# Altium PCB CRD25DA12N-FMC V1.2 (01-2024).PcbDoc (part 5 of 6)
Units mil, origin at the board's own origin, x right, y up, seen from the top; angles counter-clockwise.
Board outline 8000 x 8000 mil, 6 copper layers (Top Layer, Layer 2, Layer 3, Layer 4, Layer 5, Bottom Layer), stack 91 mil thick; 574 components, 325 nets, 1631 pads, 633 vias.
Unrouted connection lines stored in the file: 1.
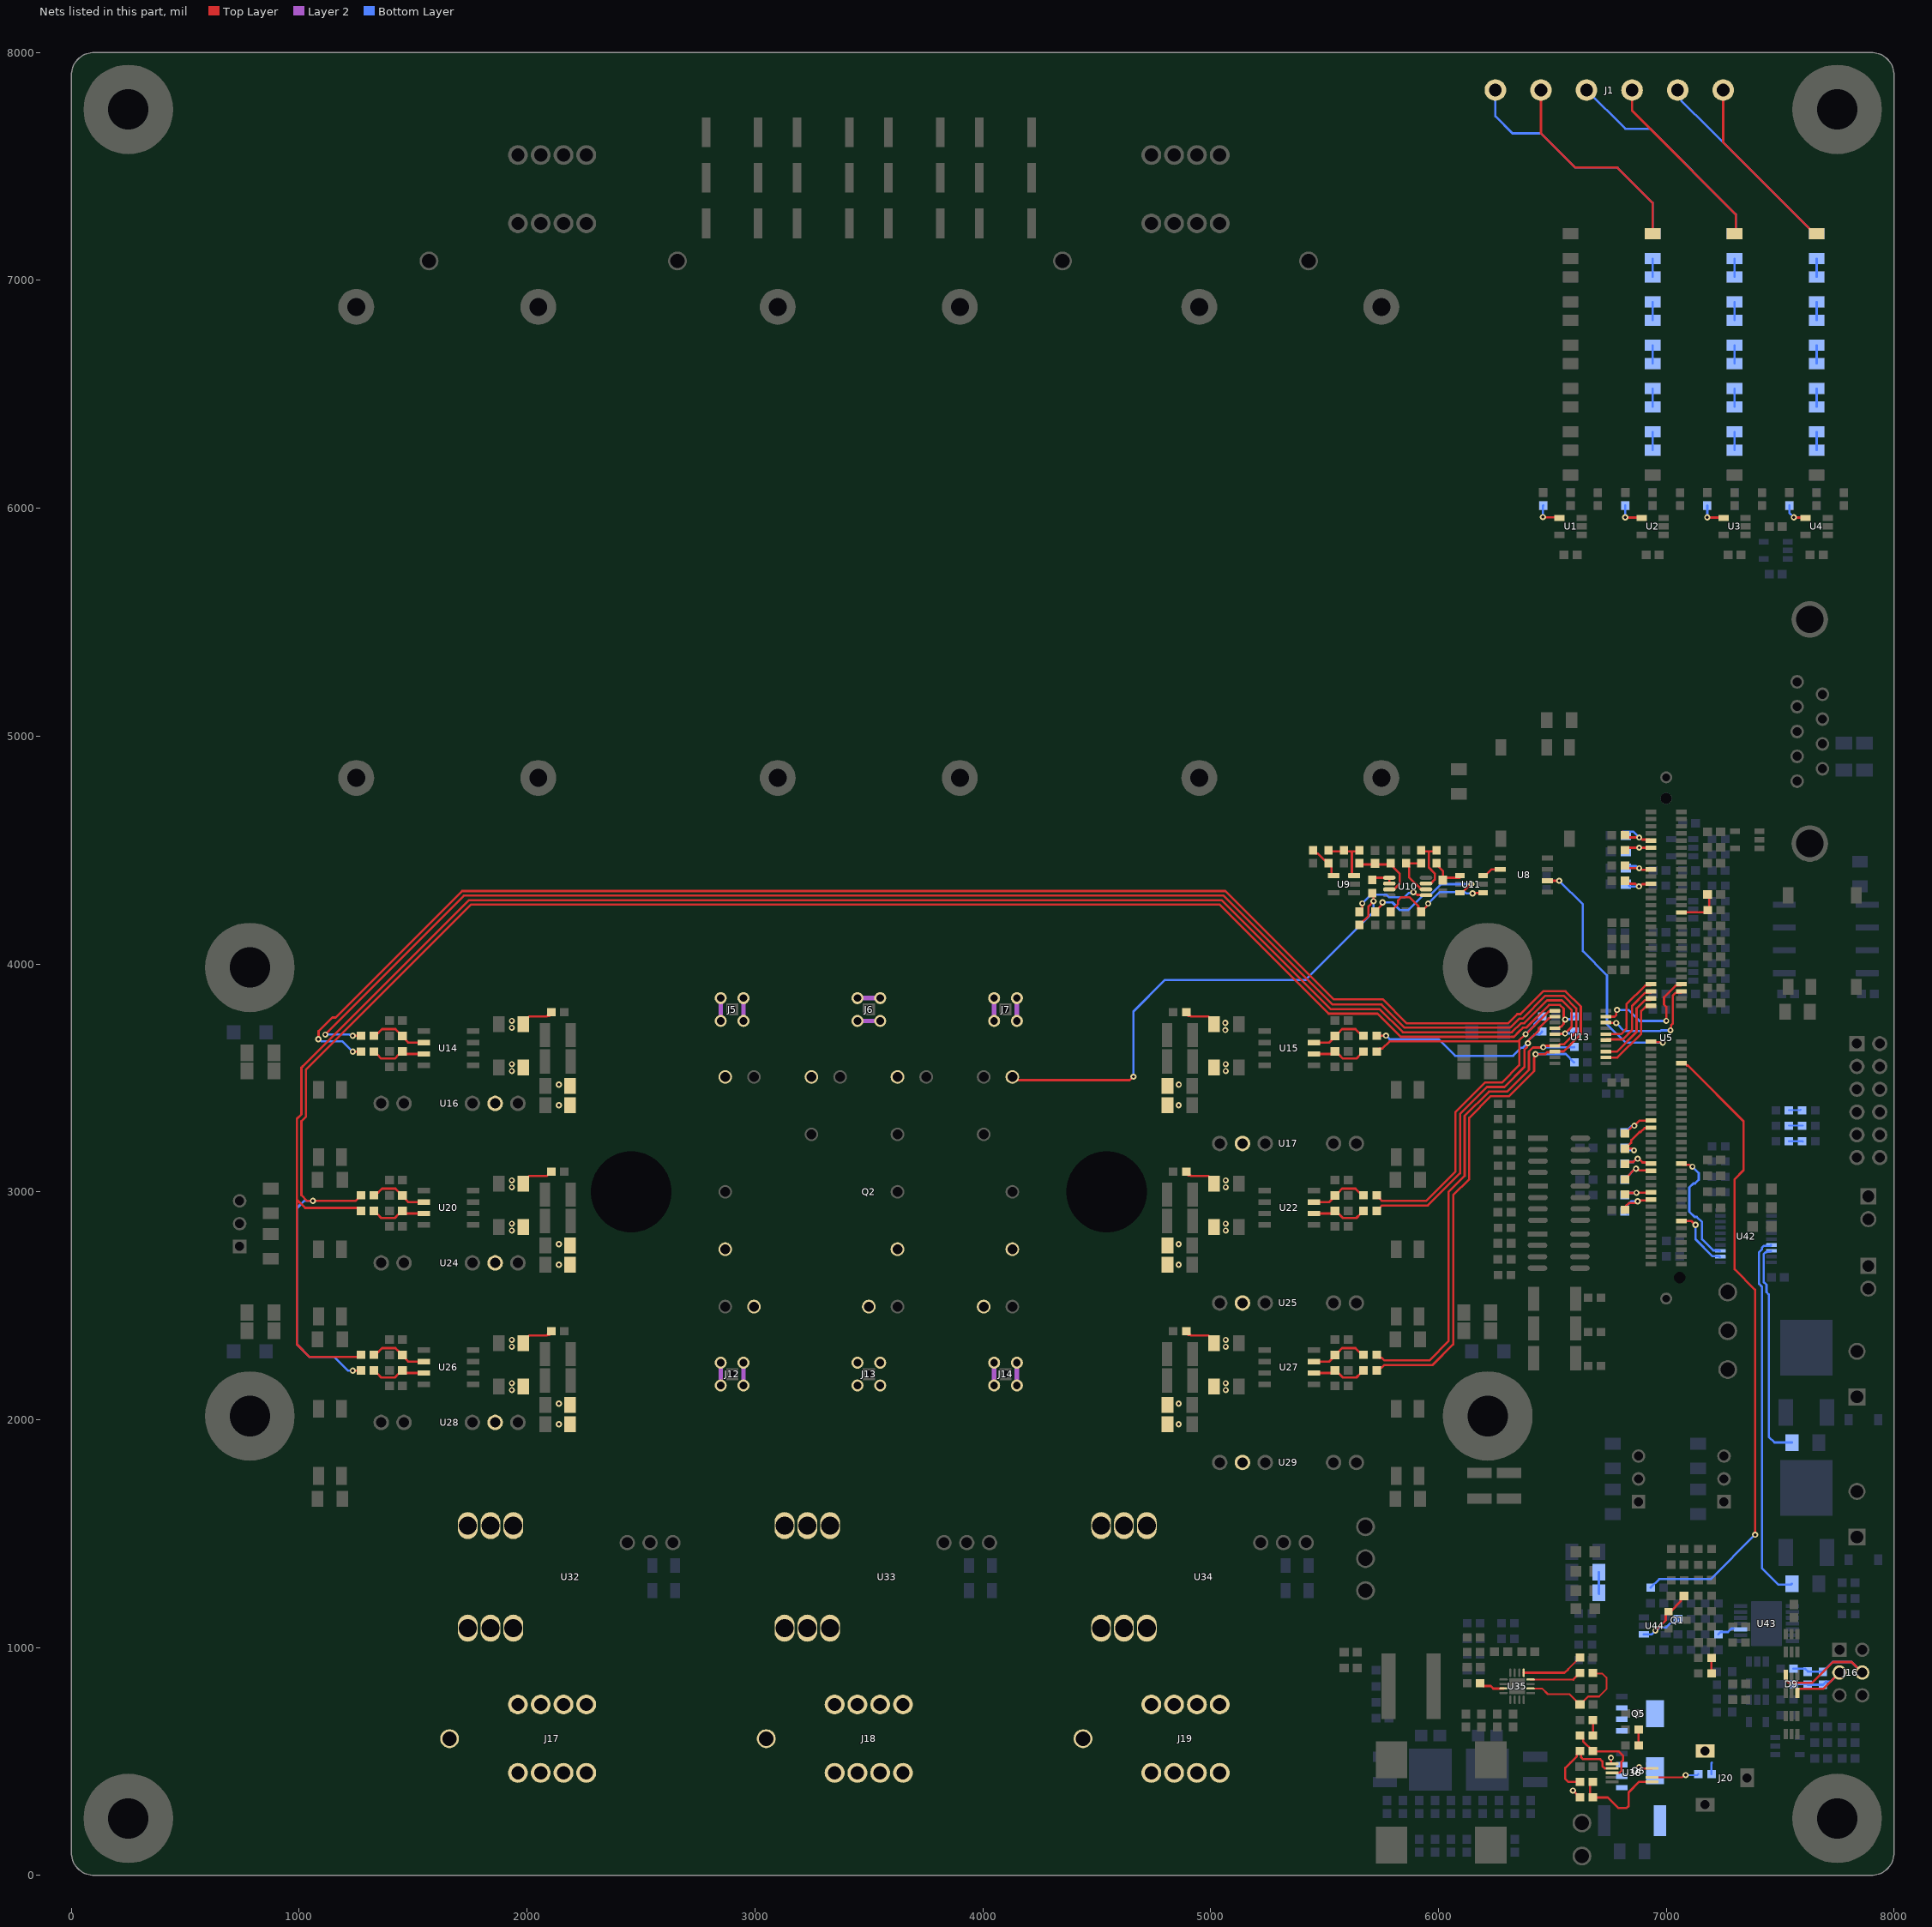
[diagram p9: the nets of this part, all layers, seen from the top]

## Via types
v1: diameter 27, hole 13, Top Layer to Bottom Layer, tented both sides, 537 vias
v2: diameter 50, hole 28, Top Layer to Bottom Layer, tented both sides, 76 vias
v3: diameter 19.68, hole 7.87, Top Layer to Bottom Layer, tented top, 15 vias
v4: diameter 19.68, hole 7.87, Top Layer to Bottom Layer, tented both sides, 5 vias

## Nets (pads, with @x,y where several pads share a name; then routed paths per layer and width w, separated by ;. In a path a pad name is that pad's centre, name@x,y a point inside that pad or via, vN(x,y) a via of type N, cw(c..) or ccw(c..) an arc to the next point about the centre after c; other vN are vias at no path point) (continued)
NetR137_2: R137.2 U35.5 | length 274.5
  Top Layer w8: 6569.74,905.26 6620.47,956 R137.2@6621.38,956
  Top Layer w10: U35.5@6374.53,889.23 6553.71,889.23 6569.74,905.26
NetR138_1: R138.1 R140.2 | length 68
  Top Layer w10: R140.2@7198.62,886 R138.1@7198.62,954
NetR139_1: R139.1 U35.4 | length 228.9
  Top Layer w8: U35.4@6404.23,859.53 6592,859.53
  Top Layer w10: 6592,859.53 6620.47,888 R139.1@6621.38,888
NetR141_2: R141.2 U35.11 | length 112.3
  Top Layer w10: R141.2@6183.62,844 6196.58,831.04 6229.48,831.04 6240.69,819.84 6264.04,819.84 6285.48,819.87 U35.11@6285.77,820.16
NetR142_2: R142.2 R144.1 | length 72.5
  Top Layer w10: R142.2@6675,685 6678.62,681.38 R144.1@6678.62,614
NetR143_2: R143.2 R145.1 | length 70
  Top Layer w10: R145.1@6878.62,570 R143.2@6878.62,640
NetR144_2: R144.2 R146.1 U36.3 | length 348.4
  Top Layer w8: U36.3@6761.17,449.69 6795,449.69
  Top Layer w10: R144.2@6621.38,614 6622.28,614 6635.24,601.04 6635.24,588.48 6677.72,546 R146.1@6678.62,546 6679.94,544.68 6769.2,544.68 6770.38,543.5 6791.81,543.5 6810,525.31 6810,505 6803.1,498.1 6803.1,458.1 6795,450 6795,449.69
NetR146_2: R146.2 R147.1 U36.2 | length 418.9
  Top Layer w8: 6730,469.69 U36.2@6762.91,469.69
  Top Layer w10: R147.1@6621.38,410 6570,410 6556.5,423.5 6556.5,471.5 6580,495 6607.52,522.52 6607.52,533.04 R146.2@6620.47,546 ; R146.2@6621.38,546 R146.2@6620.47,546 ; 6730,469.69 6720,479.69 6720,500 6710,510 6635,510 6626.1,518.9 6626.1,536.38 6626.1,540.38 R146.2@6620.47,546
NetR147_2: R147.2 R148.1 U36.6 | length 442.1
  Top Layer w10: R148.1@6678.62,342 6743,342 6790,295 6825.31,295 6835,304.69 6835,365 6880.63,410.63 U36.6@6937.09,410.63 ; R147.2@6678.62,410 6677.96,410 6665,397.04 6665,354.96 6677.96,342 R148.1@6679.53,342
NetR149_2: R149.2 R153.1 | length 79.8
  Bottom Layer w10: R153.1@7660,7015.12 R149.2@7660,7094.88
NetR150_2: R150.2 R154.1 | length 79.8
  Bottom Layer w10: R154.1@7300,7015.12 R150.2@7300,7094.88
NetR151_2: R151.2 R155.1 | length 79.8
  Bottom Layer w10: R155.1@6940,7015.12 R151.2@6940,7094.88
NetR153_2: R153.2 R157.1 | length 79.8
  Bottom Layer w10: R157.1@7660,6825.12 R153.2@7660,6904.88
NetR154_2: R154.2 R158.1 | length 79.8
  Bottom Layer w10: R158.1@7300,6825.12 R154.2@7300,6904.88
NetR155_2: R155.2 R159.1 | length 79.8
  Bottom Layer w10: R159.1@6940,6825.12 R155.2@6940,6904.88
NetR157_2: R157.2 R161.1 | length 79.8
  Bottom Layer w10: R161.1@7660,6635.12 R157.2@7660,6714.88
NetR158_2: R158.2 R162.1 | length 79.8
  Bottom Layer w10: R162.1@7300,6635.12 R158.2@7300,6714.88
NetR159_2: R159.2 R163.1 | length 79.8
  Bottom Layer w10: R163.1@6940,6635.12 R159.2@6940,6714.88
NetR161_2: R161.2 R165.1 | length 79.8
  Bottom Layer w10: R165.1@7660,6445.12 R161.2@7660,6524.88
NetR162_2: R162.2 R166.1 | length 79.8
  Bottom Layer w10: R166.1@7300,6445.12 R162.2@7300,6524.88
NetR163_2: R163.2 R167.1 | length 79.8
  Bottom Layer w10: R167.1@6940,6445.12 R163.2@6940,6524.88
NetR165_2: R165.2 R169.1 | length 79.8
  Bottom Layer w10: R169.1@7660,6255.12 R165.2@7660,6334.88
NetR166_2: R166.2 R170.1 | length 79.8
  Bottom Layer w10: R170.1@7300,6255.12 R166.2@7300,6334.88
NetR167_2: R167.2 R171.1 | length 79.8
  Bottom Layer w10: R171.1@6940,6255.12 R167.2@6940,6334.88
NetR174_2: R174.2 U4.4 | length 112.5
  Top Layer w10: v1(7560,5960) 7561.3,5958.7 7610.47,5958.7 U4.4@7611.77,5957.4
  Bottom Layer w10: R174.2@7540,6011.38 7540,5980 v1(7560,5960)
NetR176_2: R176.2 U3.4 | length 124.2
  Top Layer w10: v1(7180,5960) 7181.3,5958.7 7250.47,5958.7 U3.4@7251.77,5957.4
  Bottom Layer w10: v1(7180,5960) R176.2@7180,6011.38
NetR178_2: R178.2 U2.4 | length 124.2
  Top Layer w10: v1(6820,5960) 6821.3,5958.7 6890.47,5958.7 U2.4@6891.77,5957.4
  Bottom Layer w10: v1(6820,5960) R178.2@6820,6011.38
NetR180_2: R180.2 U1.4 | length 125.4
  Top Layer w10: v1(6458.58,5961.42) 6460.59,5959.41 6529.76,5959.41 U1.4@6531.77,5957.4
  Bottom Layer w10: v1(6458.58,5961.42) 6458.58,6009.96 R180.2@6460,6011.38
NetR204_2: R204.2 R205.1 | length 52.2
  Bottom Layer w8: R205.1@7538.62,3358 7588,3358 R204.2@7590,3360
NetR206_2: R206.2 R207.1 | length 61.4
  Bottom Layer w8: R207.1@7538.62,3290 R206.2@7596.38,3290 R206.2@7600,3290
NetR208_2: R208.2 R209.1 | length 62.2
  Bottom Layer w8: R209.1@7538.62,3222 R208.2@7596.38,3222 7598,3222 R208.2@7600,3220
NetR216_1: R216.1 R219.2 | length 95.4
  Bottom Layer w10: R216.1@6704.1,1330 R219.2@6704.1,1240 6704.1,1235.9 R219.2@6705,1235
NetR228_1: R228.1 U43.3 | length 76.6
  Bottom Layer w10: R228.1@7228.62,1058 7238.6,1067.98 7271.26,1067.98 7286.55,1083.27 7294.76,1083.27
NetR246_1: R246.1 U36.7 | length 210.4
  Top Layer w8: U36.7@6937.09,430.32 7070.17,430.32 7079.86,440 v1(7085,440)
  Bottom Layer w8: v1(7085,440) 7136.38,440 R246.1@7141.38,445
NTC1: Q2.NTC2 R56.1 R59.2 | length 2278.5
  Top Layer w10: Q2.NTC2@4129.92,3503.94 4143.45,3503.94 4157.39,3490 4645.4,3490 4660.4,3505 v1(4661.5,3505) ; R59.2@5654,4171.38 5654,4172.28 5693.04,4211.33 5693.04,4253.04 v1(5715,4275) 5715,4306.38 R56.1@5710,4311.38
  Bottom Layer w10: v1(4661.5,3505) 4661.5,3791.5 4800,3930 5416.72,3930 5715,4228.28 v1(5715,4275)
NTC1_BUF: R59.1 U10.5 | length 359
  Top Layer w10: R59.1@5654,4228.62 ccw(c5654,4240.37) 5665.75,4240.37 v1(5665.75,4265.68) ; v1(5890.31,4315.31) 5894.3,4315.31 5906.51,4303.09 5944.23,4303.09 U10.5@5945.71,4301.61
  Bottom Layer w10: v1(5665.75,4265.68) 5665.75,4266.05 5703.19,4303.5 5772.11,4303.5 5782.79,4292.81 5851.71,4292.81 5870.94,4312.05 5887.05,4312.05 v1(5890.31,4315.31)
NTC1_FB: R53.2 R54.2 U10.7 | length 246.9
  Top Layer w10: R53.2@5925,4493.62 5958.5,4493.62 ; U10.7@5945.71,4352.8 5966.5,4352.8 5972.23,4358.53 5972.64,4358.53 5984.27,4370.16 5984.27,4396.74 5958.5,4422.51 5958.5,4493.62 ; R54.2@5992,4493.62 5958.5,4493.62
NTC1_INV: R52.2 R53.1 U10.6 | length 229.9
  Top Layer w10: R53.1@5925,4441.38 R52.2@5858,4441.38 5870.96,4428.42 5870.96,4380.76 5918.78,4332.94 5919.19,4332.94 5924.92,4327.2 U10.6@5945.71,4327.2
NTC_B0: R47.2 R48.1 R49.2 U9.3 | length 251.4
  Top Layer w10: R47.2@5515,4493.62 5586,4493.62 5620,4493.62 ; U9.3@5630.08,4387.4 5626.61,4387.4 5620,4394.02 5620,4437.94 5620,4493.62 ; R49.2@5654,4493.62 5620,4493.62
NTC_B1: R46.2 R47.1 U9.4 | length 155.8
  Top Layer w10: R46.2@5450,4498.62 5450,4497.72 5462.96,4484.76 5470.52,4484.76 5500.04,4455.24 5505.04,4455.24 5518,4442.28 R47.1@5518,4441.38 5518,4437.28 5530.96,4424.33 5530.96,4396.37 U9.4@5539.92,4387.4
NTC_BIAS: C14.1 R49.1 R51.2 U10.3 | length 295.5
  Top Layer w10: R49.1@5654,4436.38 5721.96,4436.38 5722,4436.42 5794.05,4436.42 5802.96,4427.52 5802.96,4423.42 5830,4396.38 5830,4351.72 5811.22,4332.94 5810.81,4332.94 5805.08,4327.2 U10.3@5784.29,4327.2
NTC_BIAS_BUF: R56.2 U10.1 U10.2 | length 103.9
  Top Layer w10: R56.2@5710,4368.62 5719.76,4378.39 U10.1@5784.29,4378.39 U10.2@5784.29,4352.8
NTC_DIV: R61.2 R62.1 U11.4 | length 523.1
  Top Layer w10: R61.2@5790,4228.62 5790,4229.53 5823.08,4262.6 5823.08,4278.38 5837.51,4292.81 5851.71,4292.81 5852,4293.11 5872.2,4293.11 5912.04,4253.26 5912.04,4241.58 R62.1@5925,4228.62 ; R62.1@5925,4225 R62.1@5925,4228.62 ; v1(5955,4265) 5951.75,4261.75 5951.75,4256.27 5925,4229.53 R62.1@5925,4228.62 ; v1(6150.15,4309.85) 6151.53,4311.22 6193.62,4311.22 U11.4@6196.2,4313.8
  Bottom Layer w10: v1(5955,4265) 6005,4315 6116.65,4315 6121.65,4310 6150,4310 v1(6150.15,4309.85)
NTC_ISO: U5.57 U8.6 | length 1100.5
  Top Layer w10: U8.6@6478.35,4365 v1(6530,4365) ; U5.57@6933.07,3659.25 6935.2,3657.13 6982.87,3657.13 v1(6985,3655)
  Bottom Layer w10: v1(6530,4365) 6634.13,4260.87 6634.13,4055.87 6740,3950 6740,3735 6820,3655 v1(6985,3655)
NTC_MOD: C18.1 R54.1 U11.1 | length 142.2
  Top Layer w10: R54.1@5992,4436.38 5992,4435.47 6020,4407.47 6020,4380.52 6023.12,4377.4 6024.22,4378.5 U11.1@6093.01,4378.5
NTC_PWM: U8.2 U11.6 | length 90.3
  Top Layer w10: U11.6@6196.18,4387.4 6206.02,4387.4 6233.62,4415 U8.2@6271.65,4415 U8.2@6275,4415
NTC_SET: R60.2 U11.3 | length 565.9
  Top Layer w10: R60.2@5722,4228.62 5722,4229.53 v1@5751.75,4259.27 ; U11.3@6093.82,4312.6 6103.66,4312.6 6141.06,4350 v1(6145,4350) v1@6150,4350
  Bottom Layer w10: v1(5755,4270) 5798.05,4270 5831.94,4236.11 5867.58,4236.11 5931.12,4299.64 5961.36,4299.64 6011.72,4350 v1(6145,4350)
RELAY1: R217.1 U42.17 | length 1624.2
  Bottom Layer w10: U42.17@7459.41,2765.59 7456.69,2762.87 7428.03,2762.87 7420,2754.84 7420,2747.41 7407.58,2734.99 7407.58,2596.32 7420,2583.91 7420,1348.28 7492.43,1275.86 7547.65,1275.86 R217.1@7551.79,1280
RELAY1_OUT: U5.92 U42.3 | length 532.2
  Top Layer w10: U5.92@7066.93,3123.82 7071.77,3118.98 7101.42,3118.98 7110.4,3110 v1(7115,3110)
  Bottom Layer w10: v1(7115,3110) 7142.55,3082.45 7142.55,3052.99 7126.32,3036.75 7119.15,3036.75 7101.5,3019.11 7101.5,2913.19 7124.77,2889.92 7133.73,2889.92 7157,2866.65 7157,2792.03 7206.16,2742.87 7232.13,2742.87 U42.3@7235,2740
RELAY2: R214.1 U42.18 | length 960.6
  Bottom Layer w10: U42.18@7459.41,2740 7457.56,2738.15 7443.58,2738.15 7439.74,2734.31 7435.18,2734.31 7427.58,2726.71 7427.58,2604.61 7440,2592.19 7440,2560 7450,2550 7450,1925 7475,1900 7551.56,1900 R214.1@7551.79,1899.76
RELAY2_OUT: U5.108 U42.2 | length 268.3
  Top Layer w10: U5.108@7066.93,2871.85 7109.87,2871.85 v1@7126.87,2854.85
  Bottom Layer w10: v1(7128.5,2854.85) 7128.5,2792.25 7203.47,2717.28 7232.13,2717.28 U42.2@7235,2714.41
RSLV_PWM: R218.1 U5.64 | length 2800.8
  Top Layer w10: U5.64@7066.93,3564.76 7080.71,3564.76 7091.36,3554.11 7095.11,3554.11 7101.55,3547.67 7338.86,3310.36 7338.86,3093.86 7300,3055 7300,2660 7390,2570 v1(7390,1495)
  Bottom Layer w10: R218.1@6931.38,1263 6932.28,1263 6969.17,1299.89 7194.89,1299.89 v1(7390,1495)
RSLV_PWM_FILT: C95.1 Q1.1 R224.2 U44.1 | length 383.9
  Top Layer w10: v1(6952.26,1074.16) 6997.91,1119.81 6997.91,1146.65 7008.66,1157.4 Q1.1@7010.63,1157.4 ; Q1.1@7015.63,1157.4 7017.6,1157.4 7063.76,1203.57 7063.76,1213.14 7077.63,1227 C95.1@7078.58,1227
  Bottom Layer w10: U44.1@6901.77,1057.6 6935.7,1057.6 v1(6952.26,1074.16) 6956.86,1074.16 6970.8,1088.1 7000.44,1088.1 7019.3,1106.96 7031.43,1106.96 7050.47,1126 R224.2@7051.38,1126
S1: C52.1 C62.2 C67.1 C71.2 J5.2 J5.3 J5.4 J5.5 Q2.S1 R88.1 U24.6 | length 346.1
  Top Layer w10: C52.1@1984.19,3035 1984.19,3043.91 2010.28,3070 2087.47,3070 2097.47,3080 R88.1@2106.38,3080
  Layer 2 w20: J5.4@2850,3750 J5.2@2850,3850 ; J5.5@2950,3750 J5.3@2950,3850
  other v1: 2140,2680 2140,2770 1933.37,2830 1933.37,2860 1933.37,3020 1933.37,3050
S2: C77.1 C83.2 C87.1 C89.2 J12.2 J12.3 J12.4 J12.5 Q2.S2 R112.1 U28.6 | length 346.1
  Top Layer w10: C77.1@1984.19,2335 1984.19,2343.91 2010.28,2370 2086.66,2370 2088.7,2372.04 2098.42,2372.04 R112.1@2106.38,2380
  Layer 2 w20: J12.4@2850,2150 J12.2@2850,2250 ; J12.5@2950,2150 J12.3@2950,2250
  other v1: 2140,1980 2140,2070 1933.37,2130 1933.37,2160 1933.37,2320 1933.37,2350
S3: C30.1 C36.2 C40.1 C42.2 J6.2 J6.3 J6.4 J6.5 Q2.S3 R67.1 U16.6 | length 346.1
  Top Layer w10: C30.1@1984.19,3735 1984.19,3743.91 2010.28,3770 2086.66,3770 2088.7,3772.04 2098.42,3772.04 R67.1@2106.38,3780
  Layer 2 w20: J6.4@3450,3750 J6.5@3550,3750 ; J6.2@3450,3850 J6.3@3550,3850
  other v1: 2140,3380 2140,3470 1933.37,3530 1933.37,3560 1933.37,3720 1933.37,3750
S4: C78.2 C84.1 C88.1 C90.2 J13.2 J13.3 J13.4 J13.5 Q2.S4 R113.1 U29.6 | length 146.1
  Top Layer w10: R113.1@4893.62,2380 4901.58,2372.04 4911.3,2372.04 4913.34,2370 4989.72,2370 5015.81,2343.91 C78.2@5015.81,2335
  other v1: 4860,1980 4860,2070 5066.63,2130 5066.63,2160 5066.63,2320 5066.63,2350
S5: C31.2 C37.1 C41.1 C43.2 J7.2 J7.3 J7.4 J7.5 Q2.S5 R68.1 U17.6 | length 346.1
  Top Layer w10: R68.1@4893.62,3780 4901.58,3772.04 4911.3,3772.04 4913.34,3770 4989.72,3770 5015.81,3743.91 C31.2@5015.81,3735
  Layer 2 w20: J7.4@4050,3750 J7.2@4050,3850 ; J7.5@4150,3750 J7.3@4150,3850
  other v1: 4860,3380 4860.39,3469.95 5066.63,3530 5066.63,3560 5065,3710 5065,3741.5
S6: C53.2 C63.1 C68.1 C72.2 J14.2 J14.3 J14.4 J14.5 Q2.S6 R89.1 U25.6 | length 346.1
  Top Layer w10: R89.1@4893.62,3080 4901.58,3072.04 4911.3,3072.04 4913.34,3070 4989.72,3070 5015.81,3043.91 C53.2@5015.81,3035
  Layer 2 w20: J14.4@4050,2150 J14.2@4050,2250 ; J14.5@4150,2150 J14.3@4150,2250
  other v1: 4860,2680 4860,2770 5066.63,2830 5066.63,2860 5066.63,3020 5066.63,3050
SIN: C19.1 R58.2 U5.30 | length 184.6
  Top Layer w10: U5.30@7066.93,4226.18 7171.56,4226.18 R58.2@7181.38,4236 ; R58.2@7187.44,4240 7188.72,4241.28 7188.72,4303.72 C19.1@7190,4305
SIN_N: C177.2 D9.6 J16.4 R235.1 R236.1 | length 767.9
  Top Layer w10: D9.6@7524.41,879.37 7528.27,875.51 7528.27,854.05 7536.59,845.73 7640.73,845.73 7731.5,936.5 7813.5,936.5 J16.4@7860,890
  Bottom Layer w10: R235.1@7558.62,907 7609.53,907 C177.2@7622,894.53 ; C177.2@7622,893.58 7689.96,893.58 R236.1@7689.96,896.48 ; R236.1@7688,893.62 7688,894.53 R236.1@7689.96,896.48 ; J16.4@7860,890 7813.5,936.5 7729.97,936.5 R236.1@7689.96,896.48
SIN_P: C177.1 D9.3 J16.3 R236.2 R238.1 | length 454.7
  Top Layer w10: D9.3@7575.59,800.63 7575.59,814.41 7579.45,818.27 7688.27,818.27 J16.3@7760,890
  Bottom Layer w10: R238.1@7558.62,839 7619.42,839 7622,836.42 R236.2@7688,836.38 7688,837.28 7700.96,850.24 7720.24,850.24 J16.3@7760,890
U: Q2.U U32.4 U32.5 U32.6
U_HI_OC: C145.1 R84.2 U5.79 | length 191.4
  Top Layer w10: R84.2@6818.62,3256 6819.53,3256 6850.27,3286.75 6856.75,3286.75 6882.8,3312.8 U5.79@6933.07,3312.8
  Bottom Layer w10: C145.1@6818.58,3261 6819.53,3261 6845.27,3286.75 6856.75,3286.75 v1(6860,3290)
U_HS: R94.1 R121.1 R197.2 U13.14 | length 8144.5
  Top Layer w10: v1(1235,2215) 1270.38,2215 R121.1@1271.38,2216 ; R94.1@1271.38,2984 1270.47,2984 1257.52,2971.04 1257.52,2970.14 1247.38,2960 v1(1060,2960) 1035,2960 1010,2985 1010,3310 1030,3330 1030,3536.41 1753.59,4260 5040.15,4260 5518.28,3781.86 5733.28,3781.86 5835.15,3680 6331.11,3680 6355.11,3704 6371.11,3720 6385.17,3720 6485.17,3820 6533.43,3820 6550,3803.43 v1@6550,3755 ; U13.14@6510.59,3717.36 6526.34,3717.36 6533.06,3724.08 6537.62,3724.08 6550,3736.46 v1@6550,3755 ; v1(6556.77,3755.76) 6550.76,3755.76 v1@6550,3755
  Bottom Layer w10: v1(1060,2960) 1021.65,2960 990,2928.35 990,2330 1045,2275 1155,2275 1215,2215 v1(1235,2215) ; v1(6556.77,3755.76) 6558.05,3757.04 6583.42,3757.04 R197.2@6596.38,3770
U_HS+_FILT: C56.1 R94.2 U20.2 | length 256.7
  Top Layer w10: R94.2@1328.62,2984 1341.58,2996.96 1346.96,2996.96 1363.86,3013.86 1422.76,3013.86 1438.76,2997.86 1449.53,2987.1 1449.53,2984 1478.53,2955 U20.2@1546.73,2955
U_HS-_FILT: C81.1 R121.2 U26.3 | length 258
  Top Layer w10: R121.2@1328.62,2216 1329.53,2216 1342.48,2203.04 1342.48,2202.52 1360,2185 1420,2185 1437.14,2202.14 1447.14,2202.14 1453.58,2208.58 C81.1@1453.58,2216 ; C81.1@1448.58,2216 1454.79,2209.79 1459.58,2205 U26.3@1546.73,2205
U_HS_PWM: U5.49 U13.6 | length 353.2
  Top Layer w10: U13.6@6735,3691.77 6801.77,3691.77 6825,3715 6825,3822.63 6906.98,3904.61 6930.16,3904.61 U5.49@6935,3909.45
U_LO_OC: C146.1 R85.2 U5.81 | length 250
  Top Layer w10: v1@6855,3189.96 6858.45,3186.51 v1(6858.45,3181.91) ; v1@6855,3190 R85.2@6820.53,3190 ; U5.81@6933.07,3281.3 6931.77,3280 6905,3280 6887.5,3262.5 6882.19,3262.5 6846.5,3226.81 6846.5,3215 6845.53,3215 R85.2@6820.53,3190 ; R85.2@6820.53,3190 6819.62,3190 R85.2@6818.62,3189 6819.53,3189 R85.2@6820.53,3190
  Bottom Layer w10: C146.1@6818.58,3192 6828.67,3181.91 v1(6858.45,3181.91)
U_LS: R98.1 R118.1 R199.2 U13.15 | length 8232.8
  Top Layer w10: 1015,3550 1010,3545 1010,3340 990,3320 990,2965 ; 1015.15,3549.85 1745.31,4280 5048.43,4280 5526.57,3801.86 5741.57,3801.86 5843.43,3700 6322.82,3700 6362.82,3740 6376.89,3740 6476.89,3840 6541.72,3840 6585.27,3796.45 6585.27,3724.28 6554.37,3693.39 6512.2,3693.39 U13.15@6510.59,3691.77 ; R118.1@1271.38,2284 1262.38,2275 1045,2275 990,2330 990,2965 ; R98.1@1271.38,2916 1258.42,2928.96 1026.04,2928.96 990,2965
  Bottom Layer w10: v1(6555.98,3695) 6588.38,3695 R199.2@6596.38,3703
U_LS+_FILT: C79.1 R118.2 U26.2 | length 256.7
  Top Layer w10: R118.2@1328.62,2284 1341.58,2296.96 1346.96,2296.96 1363.86,2313.86 1422.76,2313.86 1438.76,2297.86 1449.53,2287.1 1449.53,2284 1478.53,2255 U26.2@1546.73,2255
U_LS-_FILT: C59.1 R98.2 U20.3 | length 258
  Top Layer w10: R98.2@1328.62,2916 1329.53,2916 1342.48,2903.04 1342.48,2902.52 1360,2885 1420,2885 1437.14,2902.14 1447.14,2902.14 1453.58,2908.58 C59.1@1453.58,2916 ; C59.1@1448.58,2916 1454.79,2909.79 1459.58,2905 U20.3@1546.73,2905
U_LS_PWM: U5.51 U13.5 | length 349.9
  Top Layer w10: U13.5@6735,3666.18 6737.72,3668.9 6808.84,3668.9 6850,3710.05 6850,3816.13 6906.98,3873.11 6930.16,3873.11 U5.51@6935,3877.95
U_OUT: J17.1 J17.2 J17.3 J17.4 J17.5 J17.6 J17.7 J17.8 TP11.1 U32.1 U32.2 U32.3
V: Q2.V U33.4 U33.5 U33.6
V_HI_OC: C148.1 R86.2 U5.91 | length 197.9
  Top Layer w10: R86.2@6822.09,3115 6822.09,3117.95 6834.8,3130.67 6855.15,3130.67 6869.65,3145.16 v1(6874.25,3145.16) 6878.85,3145.16 6895.35,3128.66 6928.23,3128.66 U5.91@6933.07,3123.82
  Bottom Layer w10: C148.1@6822.09,3116.97 6835.79,3130.67 6855.15,3130.67 6869.65,3145.16 v1(6874.25,3145.16)
V_HS: R71.1 R119.1 R201.2 U13.17 | length 8533.3
  Top Layer w10: v1(1115,3690) 1115,3691.72 1723.28,4300 5056.72,4300 5534.85,3821.86 5749.85,3821.86 5851.72,3720 6314.54,3720 6354.54,3760 6368.6,3760 6468.6,3860 6550,3860 6605.27,3804.73 6605.27,3700.27 6552.31,3647.31 6533.06,3647.31 6526.34,3640.59 U13.17@6510.59,3640.59 6470.19,3640.59 6464.6,3635 v1@6460,3635 ; v1(1235,3685) 1270.38,3685 R71.1@1271.38,3684 ; R119.1@5728.62,2284 5741.58,2271.04 5751.58,2271.04 5762.62,2260 5960,2260 6045,2345 6045,3000 6115,3070 6115,3333.43 6221.57,3440 6301.72,3440 6397.35,3535.64 6397.35,3615.78 6414.9,3633.33 6458.6,3633.33 v1(6459.74,3634.47)
  Bottom Layer w10: v1(1115,3690) 1220.64,3690 1222.39,3688.25 1231.75,3688.25 v1(1235,3685) ; v1(6459.74,3634.47) 6594.85,3634.47 R201.2@6596.38,3636
V_HS+_FILT: C32.1 R71.2 U14.2 | length 256.7
  Top Layer w10: R71.2@1328.62,3684 1341.58,3696.96 1346.96,3696.96 1363.86,3713.86 1422.76,3713.86 1438.76,3697.86 1449.53,3687.1 1449.53,3684 1478.53,3655 U14.2@1546.73,3655
V_HS-_FILT: C80.1 R119.2 U27.3 | length 256.7
  Top Layer w10: U27.3@5453.27,2255 5521.47,2255 5550.47,2284 5550.47,2287.1 5561.24,2297.86 5577.24,2313.86 5636.14,2313.86 5653.04,2296.96 5658.42,2296.96 R119.2@5671.38,2284
V_HS_PWM: U5.53 U13.3 | length 356.1
  Top Layer w10: U13.3@6735,3615 6783.23,3615 6870,3701.77 6870,3804.64 6906.98,3841.61 6930.16,3841.61 U5.53@6935,3846.46
V_LO_OC: C149.1 R90.2 U5.93 | length 204.7
  Top Layer w10: R90.2@6820,3055 6820,3057.95 6863.81,3101.76 v1(6867.48,3101.76) 6872.08,3101.76 6880.33,3093.5 6931.89,3093.5 U5.93@6933.07,3092.32
  Bottom Layer w10: C149.1@6833.7,3057.16 6827.37,3063.48 6826.52,3063.48 6864.79,3101.76 v1(6867.48,3101.76)
V_LS: R75.1 R122.1 R202.2 U13.18 | length 8763.3
  Top Layer w10: v1(1084.21,3669.48) 1085,3670.26 1085,3705 1145,3765 1160,3765 1715,4320 5065,4320 5540,3845 5755,3845 5860,3740 6306.26,3740 6346.26,3780 6360.32,3780 6460.32,3880 6558.28,3880 6625.27,3813.02 6625.27,3691.98 6549.21,3615.93 6511.52,3615.93 6507.72,3612.13 6477.43,3612.13 6469.28,3603.98 v1@6426.71,3603.98 ; v1(1235,3615) 1270.38,3615 R75.1@1271.38,3616 ; R122.1@5728.62,2216 5741.58,2228.96 5751.58,2228.96 5762.62,2240 5975,2240 6065,2330 6065,2985 6135,3055 6135,3325.15 6229.85,3420 6310,3420 6420,3530 6420,3589.62 6422.6,3592.22 6422.6,3600.73 v1(6425.85,3603.98)